# KiCad board AGBM-02_AA_1-1_GBE-plus-CXC.kicad_pcb (continued)
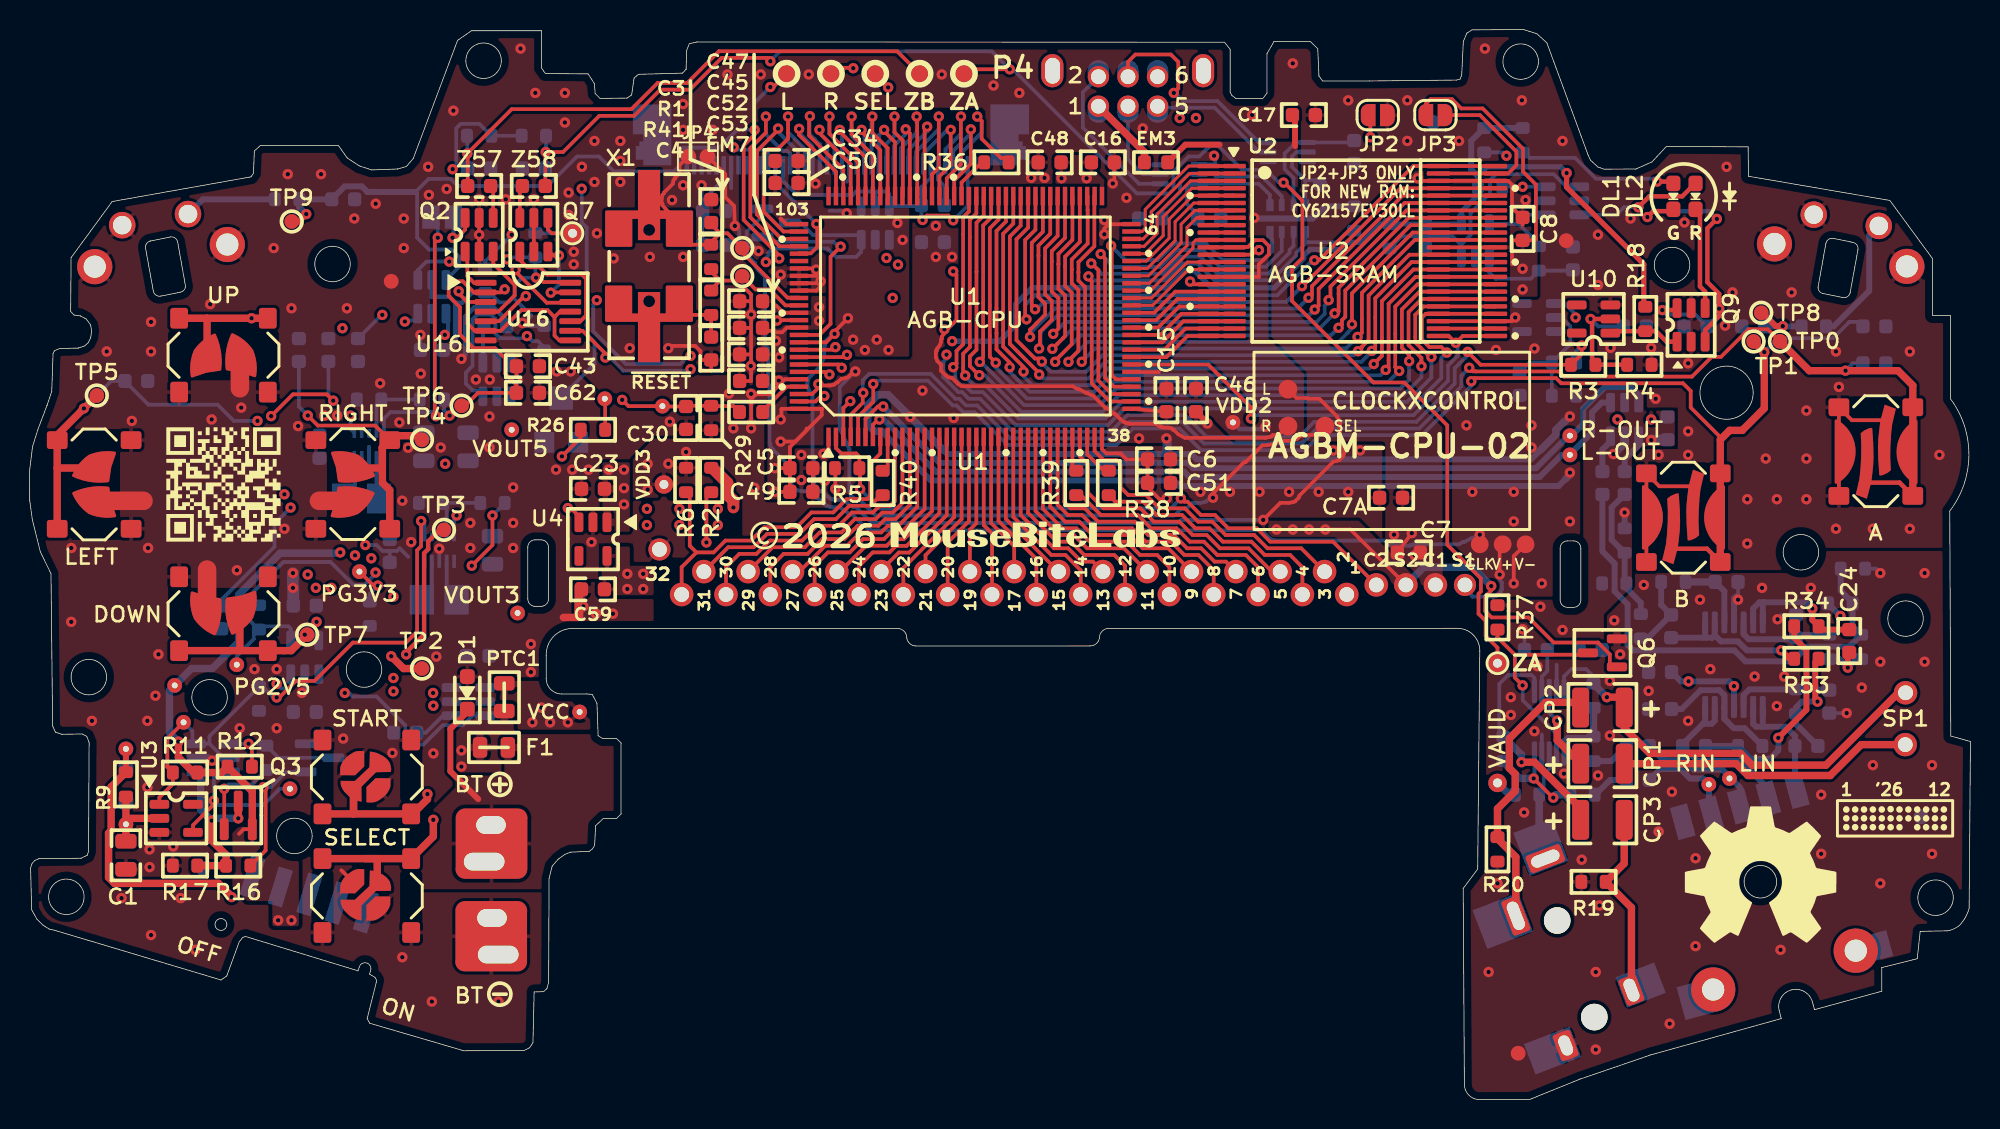
[diagram p0: board, top side]
## Routing (per net, layer and track width the routed paths; a pad name or vN(x,y) marks a point on that pad's centre or on a via; arc(x,y) is an arc through that point) (continued)
Net-(Q6-D): length 15.1
  Top w0.25: 105.48,30.23 105.36,30.1 100.5,30.1 ; R37.2 99.32,31.28 100.5,30.1 ; v1(101.02,28.03) 100.5,28.55 100.5,30.1
  Bottom w0.25: U6.2 103.32,24.73 101.03,27.02 101.03,28.02 v1(101.02,28.03)
Net-(Q7A-G): length 9.4
  Top w0.25: 33.17,57.49 33.17,56.83 33.67,56.33 34.52,56.33 35.02,55.83 37.38,55.83 37.65,55.56 37.65,53.05 37.28,52.68 U16.10
Net-(Q7B-D): length 5
  Top w0.25: 35.07,59.76 35.07,58.88 35.32,58.63 36.52,58.63
  Bottom w0.25: 34.22,58.7 34.3,58.63 TP12.1
Net-(Q7B-G): length 5.1
  Top w0.25: U16.13 35.34,54.63 35.32,54.61 v1(35.27,54.61) ; 35.07,57.49 35.43,57.13 v1(35.82,57.13)
  Bottom w0.25: v1(35.27,54.61) 35.27,54.6 35.22,54.55 35.21,54.55 35.82,55.16 v1(35.82,57.13)
Net-(Q9A-G): length 5
  Top w0.3: Q9.1 110.76,51.29 110.05,52 106.98,52 106.86,51.88
Net-(Q10A-G): length 12.1
  Top w0.5: R17.1 R16.1 13.29,16.56 12.32,17.53 v1(12.32,18.87) ; Q3.3 v1(14.12,19.03)
  Bottom w0.5: v1(14.12,19.03) 12.47,19.03 v1(12.32,18.87) 11.58,19.61 11.58,21.88 Q10.1
Net-(R43-Pad1): length 8.6
  Bottom w0.4: SW3.1 124.47,58.48 124.47,54.73 122.07,52.33 R43.1
Net-(R44-Pad1): length 6.3
  Bottom w0.4: SW2.1 11.72,60.93 R44.1
Net-(RA1A-R1.1): length 31.8
  Top w0.25: v1(71.64,55.71) 71.64,55.59 71.87,55.36 71.87,48.47 73.09,47.25 74.47,47.25 74.48,47.24
  Bottom w0.25: 86.32,57.93 85.7,57.31 85.7,57.13 84.03,55.46 80.2,55.46 80.18,55.44 79.03,56.59 78.01,56.59 76.86,55.44 71.91,55.44 v1(71.64,55.71) ; 86.32,57.93 86.42,58.03 88.44,58.03 89.02,58.6 89.42,58.6 R35.1 ; 86.32,57.93 RA1.1
Net-(RA1A-R1.2): length 5.8
  Bottom w0.25: 86.32,62.21 86.33,62.23 87.02,62.23 TP25.1 ; 86.32,62.21 85.42,63.11 85.42,63.83 85.72,64.13 86.27,64.13 ; 86.32,62.21 RA1.8
Net-(RA1B-R2.1): length 27.5
  Top w0.25: v1(71.84,56.59) 71.87,56.59 72.32,56.14 72.32,48.65 73.22,47.75 74.47,47.75 74.48,47.74
  Bottom w0.25: RA1.2 85.52,57.77 85.25,57.5 85.25,57.31 83.85,55.91 80.35,55.91 79.22,57.04 77.83,57.04 76.67,55.89 72.54,55.89 v1(71.84,56.59)
Net-(RA1B-R2.2): length 8.8
  Bottom w0.25: RA1.7 85.52,62.38 84.92,62.98 84.92,64.03 85.67,64.78 89.5,64.78 C20.1
Net-(RA1C-R3.1): length 25.8
  Top w0.25: v1(72.47,57.22) 72.47,57.22 72.77,56.92 72.77,48.84 73.36,48.25 74.47,48.25 74.48,48.24
  Bottom w0.25: v1(72.47,57.22) 73.36,56.34 76.49,56.34 77.64,57.49 79.4,57.49 80.54,56.36 83.66,56.36 84.72,57.42 RA1.3
Net-(RA1C-R3.2): length 11.2
  Bottom w0.25: RA1.6 84.72,61.13 83.37,62.48 80.27,62.48 80.12,62.63 78.42,62.63 77.85,62.05 77.85,61.42 76.62,60.19 76.62,59.9 76.62,60.1
Net-(RA1D-R4.1): length 24.2
  Top w0.25: 74.48,48.74 74.55,48.74 U1.43 73.5,48.75 73.22,49.03 73.22,57.69 73.18,57.73 v1(73.18,57.78)
  Bottom w0.25: v1(73.18,57.78) 74.15,56.81 76.32,56.81 77.45,57.94 79.59,57.94 80.72,56.81 83.47,56.81 84.07,57.41 84.07,58.23 83.92,58.38 RA1.4
Net-(RA1D-R4.2): length 8.8
  Bottom w0.25: RA1.5 83.92,61.23 83.17,61.98 78.57,61.98 78.3,61.7 78.3,60.62 79.02,59.9
Net-(U1H-~{RESET}): length 3.2
  Top w0.25: 52.05,48.25 51.24,48.25 49.92,46.93 49.92,46.84 EM7.2
Net-(U5-FB): length 5
  Bottom w0.25: R59.2 R60.1 23.47,47.05 U5.4
Net-(U5-L1): length 3.2
  Bottom w0.25: L2.2 22.02,41.4 22.02,41.93 22.47,42.38 U5.9
Net-(U5-L2): length 2.8
  Bottom w0.25: U5.7 23.47,40.85 L2.1
Net-(U6-BTL+): length 5.8
  Top w0.5: 104.94,22.73 103.36,24.31 v1(103.36,25.64)
  Bottom w0.25: v1(103.36,25.64) 102.82,26.18 U6.8
Net-(U6-BYPASS): length 3
  Bottom w0.25: U6.7 102.32,28.63 102.69,29 102.69,30.53
Net-(U6-HP-IN): length 5.8
  Bottom w0.25: R14.2 102.45,20.93 102.45,22 102.82,22.38 U6.3
  Bottom w0.5: R14.2 102.14,18.38 102.09,18.33 102.39,18.03
Net-(U6-LIN): length 5
  Bottom w0.25: U6.1 103.82,24.33 104.05,24.55 R30.1
  Bottom w0.5: R57.2 R30.1
Net-(U6-LOUT/BTL-): length 30.5
  Top w0.25: 107.89,27.23 CP2.1
  Top w0.5: v1(106.72,27.23) 107.89,27.23 ; CP2.1 107.89,25.15 109.62,23.43 115.76,23.43 116.56,22.63 121.55,22.63 126.44,27.53 SP1.1
  Bottom w0.25: 105.82,28.13 R57.1 105.82,28.63 105.32,29.13 104.32,29.13 103.82,28.63 U6.10
  Bottom w0.5: 105.82,28.13 v1(106.72,27.23)
Net-(U6-RIN): length 7.4
  Top w0.25: v1(101.77,21.73) 103.07,20.43 v1(103.09,20.43)
  Bottom w0.25: U6.5 101.82,21.97 101.77,21.92 v1(101.77,21.73)
  Bottom w0.5: v1(103.09,20.43) 103.3,20.63 104.3,20.63 ; 99.72,22.83 100.82,21.73 v1(101.77,21.73)
Net-(U6-ROUT): length 15.8
  Top w0.25: v1(100.95,22.83) 101.07,22.7
  Top w0.5: v1(100.95,22.83) 101.83,22.83 104.94,19.71 104.94,18.93
  Bottom w0.25: U6.6 101.82,28.53 101.62,28.73 100.05,28.73 99.44,28.13 99.44,24.83 R56.2
  Bottom w0.5: v1(100.95,22.83) 100.95,23.33 R56.2
Net-(U7A-+): length 6.8
  Bottom w0.4: U7.3 115.97,27.36 116.36,27.75 R54.2 121.77,27.75 121.82,27.7
Net-(U7A--): length 9.8
  Bottom w0.4: U7.2 116.62,25.43 116.82,25.23 117.22,25.23 ; 119.72,20.59 119.44,20.86 C35.2 119.44,24.6 118.82,25.23 117.22,25.23 ; 117.22,25.23 117.27,25.28 U7.1
Net-(U7B-+): length 9.2
  Bottom w0.4: R48.2 116.05,25.13 115.31,25.13 114.67,25.77 U7.5 114.67,27.36 114.33,27.7 113.06,27.7 111.78,26.43 C27.1
Net-(U7B--): length 13.1
  Bottom w0.4: 113.22,25.43 113.37,25.58 U7.7 ; 113.22,25.43 111.84,24.05 C28.2 112.84,22.93 115.75,22.93 117.79,20.88 117.79,20.04 ; 113.22,25.43 113.82,25.43 114.02,25.63 U7.6
Net-(U7C-+): length 5
  Bottom w0.4: C31.1 114.67,34.4 U7.10
  Bottom w0.5: R52.2 C31.1
Net-(U7C--): length 10.9
  Top w0.4: v1(118.52,30.4) 119.09,29.83 R53.2
  Bottom w0.4: 113.42,31.25 113.84,31.25 114.02,31.43 ; 113.42,31.25 113.37,31.3 U7.8 ; 113.42,31.25 111.12,31.25 ; U7.9 114.02,31.43 ; 114.02,31.43 114.44,31 115.59,31 116.2,30.4 v1(118.52,30.4)
Net-(U7D-+): length 6.9
  Bottom w0.4: U7.12 115.97,31.49 116.31,31.15 119.42,31.15 C26.1 119.72,31.45 121.82,31.45
Net-(U7D--): length 10.2
  Top w0.4: C24.2 121.27,31.8 R34.2 120.62,32.45 v1(120.62,33.23)
  Bottom w0.4: 117.32,33.65 117.27,33.6 U7.14 ; 117.32,33.65 120.19,33.65 v1(120.62,33.23) ; 117.32,33.65 117.05,33.65 116.62,33.23 U7.13
Net-(U9-1Y): length 2.6
  Bottom w0.4: C25.1 106.42,43.99 106.97,44.54 U9.6
Net-(U9-2Y): length 2.8
  Bottom w0.4: C29.1 107.92,43.33 108.87,44.28 U9.4
Net-(U10-VDD): length 9.1
  Top w0.3: R4.1 105.94,49.73 105.72,49.95 105.72,52.73 v1(105.62,52.83) 106.86,52.83
  Bottom w0.25: C10.1 106.12,52.33 v1(105.62,52.83)
Net-(U11-CT): length 2.5
  Bottom w0.25: 30.74,52.33 30.67,52.25 U11.4
Net-(U13-FB): length 4.9
  Bottom w0.25: U13.4 28.22,40.15 R73.1 R72.2
Net-(U13-L1): length 2.6
  Bottom w0.25: U13.9 27.22,34.75 26.54,34.08
Net-(U13-L2): length 2.6
  Bottom w0.25: U13.7 28.22,34.75 28.89,34.08
Net-(U14-T/T): length 7.1
  Bottom w0.25: U14.1 98.77,55.98 99.2,55.55 101.57,55.55 102.12,56.1 104.27,56.1 104.32,56.15 C44.1
Net-(U17-VDD): length 8.9
  Bottom w0.25: 100.82,49.2 101.5,49.88 103,49.88 ; U17.2 103.65,52.93 104.25,52.33 104.25,51.13 103,49.88 ; 103,49.88 103,47.63
Net-(U18-CT): length 2.8
  Bottom w0.25: U18.4 27.97,25.98 27.77,25.78 27.77,25.78 26.82,24.83 26.2,24.83
unconnected-(U2-NC-Pad9): length 1.8
  Top w0.25: 79.77,59.18 81.53,59.18
unconnected-(U2-NC-Pad10): length 1.8
  Top w0.25: 81.53,58.68 79.77,58.68

## Copper pours and planes (outline as drawn; the poured copper is in the pictures)
AGND on Top: 42.22,34 42.22,33.2 89.34,33.2 90.05,33.83 105.12,33.83 105.12,46.63 106.52,48.03 109.22,48.03 109.22,46.63 111.32,46.63 111.32,44.23 108.42,44.23 108.42,35.63 120.22,35.63 120.22,37.13 133.04,37.13 133.07,-4.07 91.59,-4.07 91.59,30.13 37.62,30.1 37.2,30.11 36.87,30.11 36.87,35.03 38.57,35.03 38.57,34
AGND on Bottom: 40.62,36.13 40.62,37.43 38.72,37.43 38.72,35.03 36.87,35.03 36.87,30.1 59.98,30.13 91.59,30.13 91.59,-4.07 133.07,-4.07 133.04,37.13 120.22,37.13 120.22,35.63 108.42,35.63 108.42,44.23 111.32,44.23 111.32,46.63 109.22,46.63 109.22,48.03 106.52,48.03 105.12,46.63 105.12,33.83 90.05,33.83 89.13,33.21 42.22,33.2 42.22,36.13
AGND on In1.Cu: 36.87,35.03 38.72,35.03 38.72,37.43 40.62,37.43 40.62,36.13 42.22,36.13 42.22,33.23 89.13,33.21 90.05,33.83 105.12,33.83 105.12,46.63 106.52,48.03 109.22,48.03 109.22,46.63 111.32,46.63 111.32,44.23 109.12,44.23 108.42,43.53 108.42,35.63 120.22,35.63 120.22,37.13 133.04,37.13 133.07,-4.07 91.59,-4.07 91.59,30.13 36.87,30.11
GND on Top: 51.76,63.96 53.31,63.96 54.53,62.89 54.59,61.98 54.59,61.1 51.76,61.1
GND on Top: 81.82,57.33 80.82,57.33 80.82,58.18 79.82,58.18 78.42,56.78 81.82,56.78
GND on Top: 49.92,40.63 49.92,46.83 50.62,47.63 51.59,47.63 51.59,46.4 52.49,46.4 52.49,47.33 55.42,50.08 59.72,50.08 59.72,59.03 60.52,59.03 60.8,60.33 63.52,60.33 74.42,47.83 74.72,47.33 74.82,46.93 79.25,46.93 79.25,44.33 91.52,44.33 91.52,37.23 90.02,39.18 83.82,39.18 83.82,37.88 81.12,38.63 54.82,45.23 54.42,45.63 53.72,45.63 53.72,44.23 53.62,44.28 51.57,44.28 51.57,40.63
GND on Top, Bottom, In2.Cu: 36.67,30.98 36.67,35.23 38.52,35.23 38.52,37.63 40.82,37.63 40.82,36.33 42.42,36.33 42.42,33.43 89.32,33.41 90.05,34.03 104.92,34.03 104.92,46.73 106.42,48.23 109.42,48.23 109.42,46.83 111.52,46.83 111.52,44.03 108.62,44.03 108.62,35.83 120.02,35.83 120.02,37.33 130.22,37.33 132.92,38.73 132.92,77.63 -6.68,76.73 -3.88,5.83 39.72,-5.22 43.82,15.83 43.22,28.23 36.32,30.03
GND on Bottom: 50.95,62.67 60.92,62.65 60.93,61.08 60.43,60.63 58.25,60.66 58.22,61.33 57.89,61.53 56.07,61.48 55.59,61.22 52,61.28 51.27,61.85 50.95,62.39
GND on In1.Cu: 36.42,30.98 38.62,30.98 38.62,31.63 39.72,31.33 40.62,31.13 41.32,30.93 40.82,36.33 42.42,36.33 42.42,33.43 89.13,33.41 90.05,34.03 104.92,34.03 104.92,46.63 108.62,46.63 108.62,35.83 120.02,35.83 120.02,37.33 130.22,37.33 132.92,38.73 131.22,65.38 100,74.9 23.37,74.5 -0.78,60.28 -1.8,35.03 -1.95,5.8 38.37,-4.92 41.55,2.3 42.27,25.13 37.34,28.63
VBATT on Top: 32.13,22.13 32.13,24.73 33.02,24.73 33.02,26.53 30.02,26.53 28.82,25.33 28.82,22.13
VBATT on Bottom: 13.92,12.93 15.97,12.93 16.72,15.23 17.02,15.33 21.42,14.03 20.92,12.33 25.17,11.03 25.22,11.23 25.22,17.63 29.62,22.03 29.62,24.03 28.92,24.03 27.22,22.33 18.82,22.33 13.32,20.43 13.32,13.53
VCC on Top: 38.62,27.08 38.62,28.33 31.82,28.33 31.82,26.53 33.02,26.53 33.02,25.03 38.42,25.03 38.39,27.03
VCC on Bottom: 26.92,33.33 23.02,33.33 23.02,34.83 21.92,34.83 19.72,37.03 16.62,37.03 16.62,38.93 17.82,40.43 17.82,43.73 22.22,43.73 22.22,42.63 20.52,40.93 20.52,39.43 23.62,39.43 23.62,37.43 25.12,37.43 25.92,36.63 26.92,36.63
VCC on In2.Cu: 29.12,46.43 26.82,46.43 24.32,44.03 22.92,44.03 22.32,43.33 22.32,39.23 21.22,38.03 21.22,34.73 19.52,31.33 19.07,30.73 19.07,24.93 21.22,24.93 21.52,24.43 23.82,24.43 23.82,30.63 29.12,35.93
VCC on In2.Cu: 21.72,24.03 21.72,28.08 36.32,28.08 36.42,30.33 41.22,24.03
VDD2 on Top: 69.42,63.93 72.02,63.93 72.02,62.93 72.72,62.23 72.72,60.53 72.42,60.53 72.42,61.98 69.42,61.98
VDD2 on Top: 102.02,54.33 102.02,58.55 100.17,58.55 100.17,58.18 99.94,57.93 98.52,57.85 98.52,57.53 100,57.48 100.14,57.18 100.17,57.1 100.17,54.33
VDD2 on Top: 49.34,54.38 49.34,48.15 50.07,48.15 50.07,49.23 51.22,49.23 51.22,51.9 51.42,52.1 53.72,52.1 54.2,52.5 54.17,54.38
VDD2 on Top: 74.32,49.73 74.32,49.13 75.32,49.13 75.32,46.93 79.22,46.93 81.62,44.53 86.22,44.53 86.22,49.13 83.82,51.53 83.82,58.03 82.52,58.03 82.52,51.63 76.02,51.43
VDD2 on Bottom: 87.02,46.73 78.02,46.73 79.62,44.83 85.92,44.83 87.02,45.83
VDD2 on Bottom: 17.89,30.93 20.12,30.93 21.82,32.63 21.82,34.83 21.22,35.63 20.37,36.38 19.22,36.13 17.72,36.63 16.92,36.63 16.12,35.93 15.12,34.88 14.72,34.13 14.65,32.05 17.54,32.05 17.84,31.85 17.89,31.15
VDD2 on In2.Cu: 19.52,31.33 18.7,31.25 18.32,33.03 17.02,34.43 17.02,35.83 18.32,37.13 18.43,43.08 17.52,45.83 25.32,52.13 34.57,52.13 35.4,53.42 43.42,53.43 44.32,54.53 64.72,54.53 69.42,59.23 69.42,62.88 72.07,62.88 72.07,57.48 72.22,56.63 82.77,56.63 84.17,58.03 89.02,58.03 90.22,56.83 102.02,56.83 102.02,54.13 86.22,54.13 86.22,44.53 77.12,44.53 76.72,44.93 76.02,45.65 59.52,45.65 59.52,52.03 54.17,52.03 54.17,49.3 50.45,49.33 49.52,48.45 46.99,48.4 46.27,47.7 41.82,47.73 41.72,46.13 27.98,47.73 26.82,46.53 26.82,40.33 25.92,39.65 23.12,39.38 21.27,37.48 21.27,33.08
VDD3 on Top: 50.02,64.33 49.72,64.08 49.72,59.98 50.92,58.78 52.67,59.08 53.42,59.08 53.42,57.88 54.12,57.18 54.12,50.28 59.52,50.28 59.52,60.33 53.86,60.34 53.86,60.88 51.62,60.88 51.37,61.13 51.37,63.73 50.77,64.33
VDD3 on Top: 40.82,40.73 48.22,40.73 48.22,37.88 52.55,37.88 54.27,39.55 54.27,44.13 51.42,44.13 51.42,48.9 51.3,49.03 50.07,49.03 50.07,48.13 48.52,48.13 47.72,47.99 47.44,48.27 47.44,49.03 40.07,49.03 38.17,50.93 36.07,53.38 32.35,53.38 32.35,52.38 34.12,50.63 34.12,49.28 34.77,49.28 35.02,49.78 36.62,49.78 37.22,49.33 38.72,47.83 38.92,47.73 39.62,47.83 40.08,47.41 40.58,46.94 45.22,46.93 45.22,44.73 42.22,44.73 40.82,43.33
VDD3 on Bottom: 51.95,61.28 53.47,61.28 53.84,61.6 57.89,61.6 58.22,61.23 58.22,60.35 60.42,60.33 60.8,60.33 60.8,57.65 58.67,57.65 58.67,57.75 57.72,57.75 57.72,59.05 56.2,59.05 56.2,58.5 54.37,58.5 53.42,58.53 53.42,59.08 51.59,61
VDD3 on Bottom: 29.52,28.43 26.72,28.43 25.52,29.63 24.02,29.63 24.02,25.33 29.52,25.33
VDD3 on Bottom: 34.97,54.38 34.87,54.38 35.77,55.28 35.77,57.13 31.32,57.13 31.32,55.68 25.92,55.68 25.92,53.78 28.02,53.78 28.02,51.63 27.72,51.03 27.72,50.58 29.17,50.58 29.17,53.13 29.87,53.83 31.52,53.83 32.67,52.68 32.67,51.53 33.77,51.53 34.97,52.03
VDD3 on In2.Cu: 26.92,33.63 26.91,36.42 26.91,42.72 31.42,42.73 33.12,44.43 33.12,47.52 43.32,47.62 46.27,47.55 46.99,48.25 49.52,48.25 50.45,49.12 53.02,49.12 53.74,49.75 54.17,51.82 60.42,51.82 62.42,49.82 63.22,48.82 64.42,49.12 64.62,49.72 68.22,48.92 68.52,49.82 71.52,49.82 76.52,44.82 76.82,44.72 76.99,44.22 86.22,44.23 86.22,43.43 94.22,43.43 98.32,39.33 98.32,33.82 95.62,33.82 95.62,35.92 91.12,40.42 47.22,40.42 47.22,40.62 40.82,40.62 40.82,43.12 35.02,43.12 35.02,37.92 33.72,37.92 33.82,33.82 27.82,27.83 27.82,26.23 23.82,26.23 23.82,30.52
VDD5 on Top: 83.82,39.18 89.92,39.18 93.72,35.38 93.72,34.48 93.27,34.13 92.52,34.58 92.32,34.83 91.72,35.43 90.57,35.43 88.17,37.78 83.87,37.78 83.82,37.83
VDD5 on Bottom: 33.62,47.93 32.12,47.93 32.12,49.63 31.52,49.63 31.52,51.18 35.02,51.18 35.02,48.13 36.62,48.13 37.52,49.03 38.92,50.28 40.17,49.03 44.02,49.03 46.22,51.23 46.22,61.38 47.02,62.38 48.62,62.38 48.62,54.03 48.27,53.68 48.27,45.43 47.12,45.43 47.12,38.33 40.82,38.33 40.82,43.33 37.97,43.33 37.97,45.33 33.62,45.33
VDD5 on In2.Cu: 40.82,40.83 40.82,38.33 43.02,38.33 44.57,36.78 88.42,36.78 88.42,39.43 88.22,39.63 47.22,39.63 47.22,40.83
VDD35 on Top: 94.02,34.83 94.52,34.83 94.52,34.43 95.12,34.13 95.62,34.43 95.62,45.93 93.09,48.48 86.62,56.13 86.17,56.13 86.17,60.73 85.82,61.03 85.82,64.83 79.72,64.83 79.72,62.23 79.22,62.23 81.92,59.23 82.52,58.03 83.82,58.03 83.82,51.53 86.22,49.13 86.22,44.53 91.52,44.53 91.52,37.63 93.72,35.38
VDD35 on Top: 72.32,45.43 72.72,45.43 72.72,44.23 76.72,44.23 76.72,41.13 77.42,41.13 77.42,40.03 76.42,40.03 75.52,40.93 74.32,40.98 73.72,41.53 73.77,42.93 73.42,43.33 72.72,43.23 72.12,43.93 72.12,45.13
VDD35 on In2.Cu: 94.77,34.23 95.62,34.28 95.62,36.13 91.12,40.63 47.22,40.63 47.22,39.38 88.22,39.38 88.42,39.18 88.42,34.13 88.92,33.63 89.87,34.18 90.47,34.78 90.67,35.28 91.12,35.78 93.07,35.78 94.02,34.83 94.52,34.83
/CPU/LGND on Bottom: 74.32,67.23 71.22,67.23 71.22,65.13 64.92,71.18 64.92,73.68 74.92,72.33 76.52,72.13 77.82,72.03 80.72,72.73 80.72,66.83 83.62,64.03 84.02,64.03 84.02,62.33 82.52,62.33 81.02,63.83 80.4,64.43 79.84,64.43 79.14,63.83 78.32,63.83 76.92,62.43 76.92,62.03 75.92,62.03 74.32,63.53
/CPU/LGND on In2.Cu: 80.72,65.33 75.32,65.33 75.32,65.93 67.92,65.93 67.92,72.03 80.72,72.03
SW on Top: 14.72,19.03 13.72,18.03 13.72,14.43 14.72,13.43 16.42,13.43 16.42,11.73 18.22,11.73 18.22,17.83 16.02,17.84 16.02,19.03
SW on Bottom: 17.52,16.13 16.27,13.84 16.27,9.94 19.72,8.98 21.47,14.43 21.42,14.73 18.42,15.63
VAUD on Top: 98.37,33.83 98.37,32.58 101.52,32.58 103.22,30.93 106.52,30.93 106.52,32.83 108.42,34.73 108.42,43.53 109.12,44.23 111.32,44.23 111.32,46.63 109.22,46.63 109.22,48.03 106.52,48.03 105.12,46.63 105.12,33.83
VAUD on Top: 42.22,34.13 38.72,34.13 38.72,37.43 40.62,37.43 40.62,36.13 42.22,36.13
VAUD on Bottom: 103.12,28.35 103.12,31.33 101.62,32.83 101.62,33.9 104.02,33.9 104.02,32.83 105.39,31.43 105.39,28.83 103.87,28.75 103.75,28.65 103.44,28.65 103.44,28.05 103.17,28.05
VAUD on In2.Cu: 40.02,36.13 40.02,30.1 59.98,30.13 91.59,30.13 91.59,-4.07 133.07,-4.07 133.04,37.13 120.22,37.13 120.22,35.63 108.42,35.63 108.42,43.53 109.12,44.23 111.32,44.23 111.32,46.63 109.22,46.63 109.22,48.03 106.52,48.03 105.12,46.63 105.12,33.83 90.05,33.83 89.13,33.21 42.22,33.2 42.22,36.13
VOUT3 on Top: 38.77,38.43 40.62,38.43 40.62,43.13 38.77,43.13
VOUT3 on Bottom: 36.67,35.23 38.52,35.23 38.52,37.63 40.62,37.63 40.62,43.13 38.52,43.13 38.52,41.93 35.57,41.93 35.57,37.73 33.52,36.63 28.62,36.63 28.62,35.33 29.97,35.33 29.97,32.83 25.52,32.83 25.52,33.23 21.92,33.23 21.92,32.38 21.87,32.38 19.72,30.23 19.22,30.23 19.22,26.13 21.02,26.13 21.02,29.03 21.87,29.83 25.52,29.83 26.42,30.73 29.92,30.73 29.92,29.83 30.52,29.83 30.52,27.73 32.22,27.73 32.22,31.53 35.77,31.53 36.67,32.33
VOUT5 on Bottom: 24.42,43.93 24.92,43.43 32.02,43.43 32.02,47.73 33.42,47.73 33.42,42.03 23.57,42.03 23.57,43.93
VOUT5 on In2.Cu: 26.92,42.53 26.92,46.43 27.42,47.13 33.12,47.13 33.12,44.43 31.22,42.53
Net-(BT1-+) on Top: 26.53,14.23 35.63,14.23 40.03,17.73 40.03,24.73 32.13,24.73 32.13,21.93 28.82,21.93 28.82,21.13 27.32,19.63 27.33,17.83 26.13,16.63
Net-(U5-L1) on Bottom: 22.62,43.43 22.62,39.63 20.42,39.63 20.42,41.73 20.72,42.03 21.72,42.03 22.32,42.63 22.32,43.43
Net-(U5-L2) on Bottom: 23.32,42.93 22.82,42.43 22.82,39.63 24.52,39.63 24.52,41.73 23.62,42.63 23.62,43.53 23.32,43.53
Net-(U13-L1) on Bottom: 27.12,36.83 27.13,35.53 26.82,35.23 25.52,35.23 25.52,32.83 27.62,32.83 27.62,35.73 27.42,35.92 27.32,36.02 27.32,36.83
Net-(U13-L2) on Bottom: 28.31,36.83 28.32,35.53 28.62,35.23 29.92,35.23 29.92,32.83 27.82,32.83 27.82,35.73 28.02,35.92 28.12,36.02 28.12,36.83

## Text on the board
B.Silkscreen: VBATT | SW | EN | ZA | VOUT3 | NC | U6 | U7 | RST | 40 | 1 | 2 | 6 | 5 | BT | VCC | R | C | GBC VOL / WHEEL | OFF | ON | Z70 | Z71 | ZS | 32 | 30 | 28 | 26 | 24 | 22 | 20 | 18 | 16 | 14 | 12 | 10 | 8 | 4 | C2 | S2 | C1 | S1 | SP1 | P1 | P3 | VR2 | AGBM-CPU-02
F.Silkscreen: JP2+JP3 ONLY / FOR NEW RAM: / CY62157EV30LL | 103 | 1 | 38 | 30 | 28 | 26 | 24 | 22 | 20 | 18 | 16 | 14 | 12 | 11 | 10 | 9 | 8 | 7 | 6 | 5 | 4 | 3 | 2 | 64 | 31 | 29 | 27 | 25 | 23 | 21 | 19 | 17 | 15 | 13 | '26 | C2 | S2 | C1 | S1 | ~{RESET} | VDD3 | G | R | 32 | VDD2 | U16 | C | B | A | LEFT | DOWN | UP | PG2V5 | RIGHT | PG3V3 | START | SELECT | BT | U1 | AGB-CPU | U2 | AGB-SRAM | RIN | LIN | ON | OFF | L | SEL | ZB | ZA | + | AGBM-CPU-02 | 2026
